# Altium PCB 2-quilter-output.pcbdoc (part 14 of 17)
Units mil, origin at the board's own origin, x right, y up, seen from the top; angles counter-clockwise.
Board outline 2728 x 2217 mil, 8 copper layers (L1_TOP, L2_GND, L3_INNER1, L4_GND, L5_PWR, L6_PWR, L7_GND, L8_BOT), stack 48.64 mil thick; 230 components, 327 nets, 1592 pads, 995 vias.
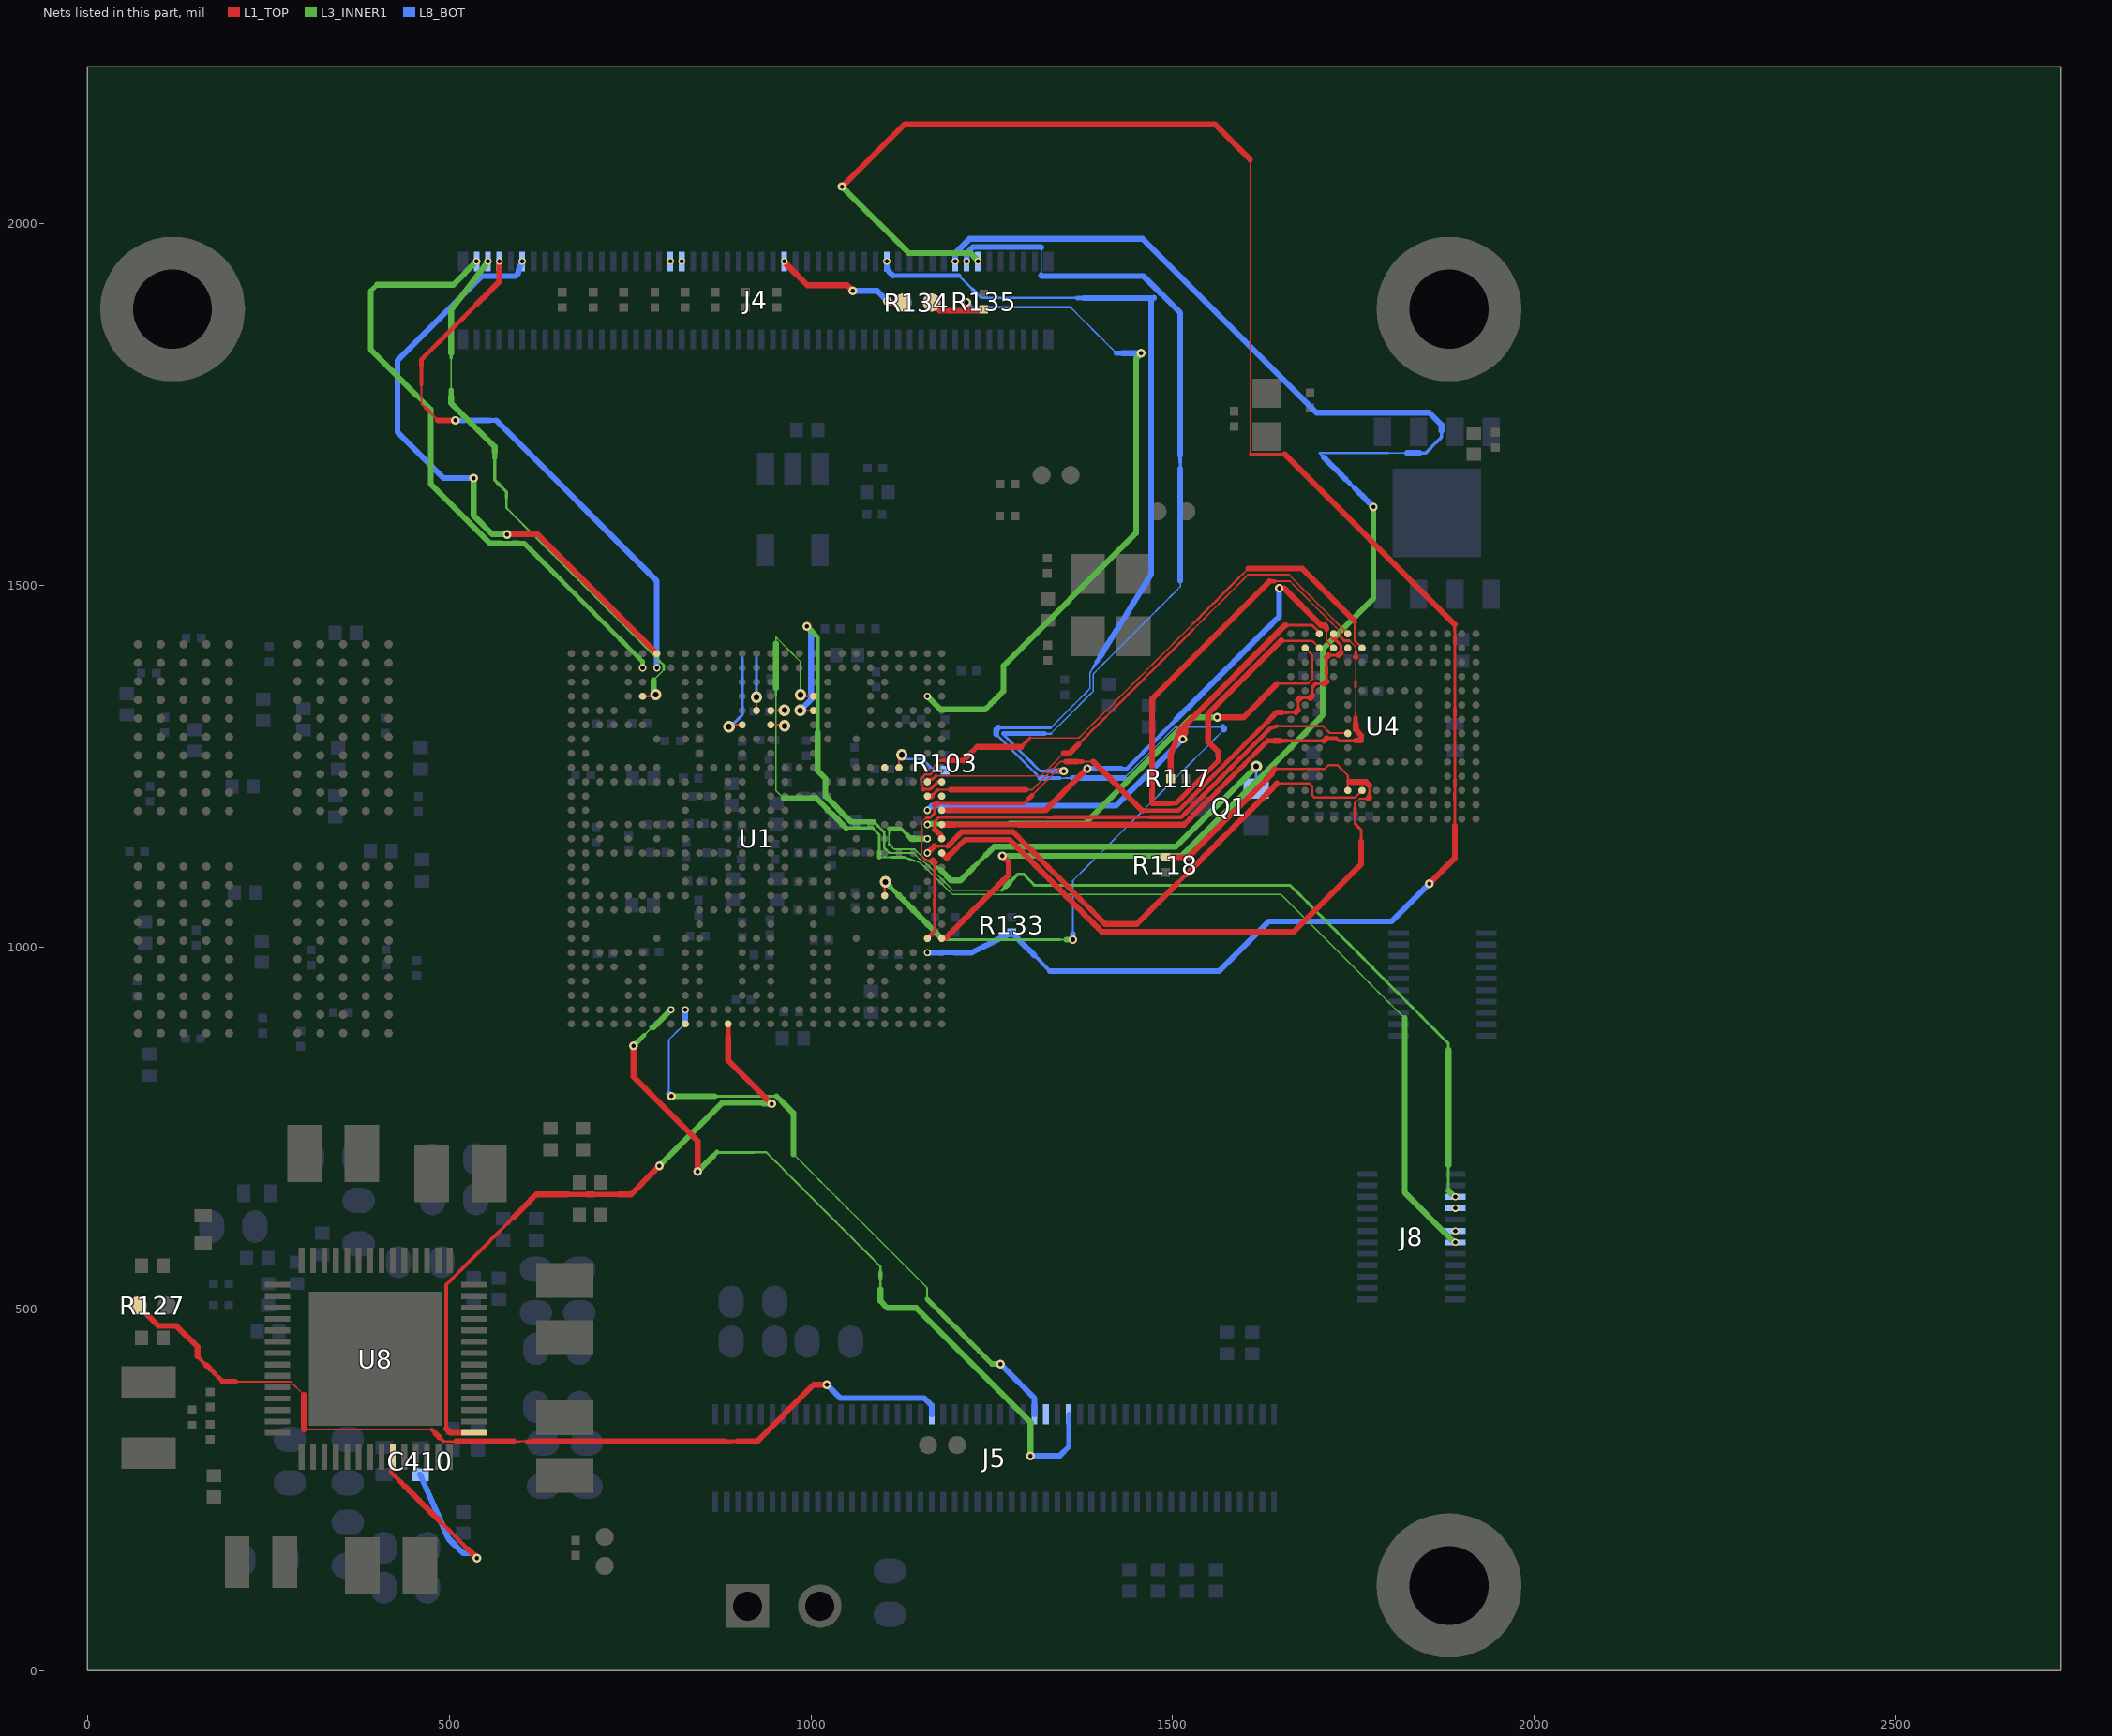
[diagram p20: the nets of this part, all layers, seen from the top]

## Via types
v1: diameter 12.01, hole 5.91, L1_TOP to L8_BOT, tented both sides, 409 vias
v2: diameter 16, hole 8, L1_TOP to L8_BOT, tented both sides, 329 vias
v3: diameter 10, hole 6, L1_TOP to L8_BOT, tented both sides, 205 vias
v4: diameter 16, hole 8, L1_TOP to L8_BOT, tented top, 52 vias

## Nets (pads, with @x,y where several pads share a name; then routed paths per layer and width w, separated by ;. In a path a pad name is that pad's centre, name@x,y a point inside that pad or via, vN(x,y) a via of type N, cw(c..) or ccw(c..) an arc to the next point about the centre after c; other vN are vias at no path point) (continued)
SD2_DATA3: J4.74 U1.V23 | length 2181
  L1_TOP w3: U1.V23@1102.05,1071.16 1102.05,1089.3 v2(1102.93,1090.18)
  L3_INNER1 w2.79: 1344.08,1010.41 1353.05,1010.41
  L3_INNER1 w3.37: 1176.56,1016.55 1182.7,1010.41 1191.66,1010.41 1200.63,1010.41 1209.59,1010.41 1218.56,1010.41 1227.53,1010.41 1236.49,1010.41 1245.46,1010.41 1254.42,1010.41 1263.39,1010.41 1272.36,1010.41 1281.32,1010.41 1290.29,1010.41 1299.25,1010.41 1308.22,1010.41 1317.19,1010.41 1326.15,1010.41 1335.12,1010.41 1344.08,1010.41
  L3_INNER1 w6.29: 1109.07,1084.04 1115.2,1077.91 1121.34,1071.77
  L3_INNER1 w8.05: v2(1102.93,1090.18) 1109.07,1084.04 ; 1121.34,1071.77 1127.48,1065.63 1133.61,1059.5 1139.75,1053.36 1145.88,1047.23 1152.02,1041.09 1158.15,1034.96 1164.29,1028.82 1170.42,1022.69 1176.56,1016.55 ; 1353.05,1010.41 v1(1362.08,1010.41)
  L8_BOT w2: 1331.66,1303.44 1337.67,1309.45 1343.68,1315.46 1349.69,1321.48 1355.7,1327.49 1361.71,1333.5 1367.72,1339.51 1373.73,1345.52 1379.74,1351.53 1385.76,1357.54 1385.76,1364.79 1385.76,1372.03 1385.76,1379.28 ; 1362.08,1018.73 1362.08,1026.87 1362.08,1035.01 1362.08,1043.15 1362.08,1051.29 1362.08,1059.43 1362.08,1067.57 1362.08,1075.71 1362.08,1083.85 1362.08,1091.99 1368.44,1098.35 1374.8,1104.71 1381.16,1111.07 1387.52,1117.43 1393.88,1123.79 1400.24,1130.15 1406.6,1136.51 1412.95,1142.87 1419.31,1149.23 1425.67,1155.59 1432.03,1161.94 1438.39,1168.3 1444.75,1174.66 1451.11,1181.02 1457.47,1187.38 1463.83,1193.74 1470.19,1200.1 1476.55,1206.46 1482.91,1212.82 1489.27,1219.18 1495.62,1225.54 1501.98,1231.9 1508.34,1238.26 1514.7,1244.61 1521.06,1250.97 1527.42,1257.33 1533.78,1263.69 1540.14,1270.05 1546.5,1276.41 1552.86,1282.77 1559.22,1289.13 1565.58,1295.49 1570.97,1300.88 ; 1433.02,1233.69 1438.88,1239.56 1444.75,1245.42 1450.61,1251.29 1456.48,1257.15 1462.34,1263.02 1468.2,1268.88 1474.07,1274.74 1479.93,1280.61 1485.8,1286.47 1491.66,1292.34 1497.53,1298.2 1503.39,1304.06 1511.68,1304.06 1519.97,1304.06 1528.27,1304.06 1536.56,1304.06 1544.85,1304.06 1553.14,1304.06 1561.43,1304.06 1569.72,1304.06
  L8_BOT w2.2: 1343.71,1233.69 1352.64,1233.69 ; 1385.76,1379.28 1390.44,1386.81
  L8_BOT w2.79: 1352.64,1233.69 1361.57,1233.69
  L8_BOT w3.37: 1204.62,1928.19 1210.81,1922.01 1216.99,1915.82 1223.18,1909.64 ; 1229.37,1903.45 1235.55,1897.26 1244.38,1897.26 1253.21,1897.26 1262.04,1897.26 1270.87,1897.26 1279.7,1897.26 1288.53,1897.26 1297.36,1897.26 1306.19,1897.26 1315.02,1897.26 1323.85,1897.26 1332.68,1897.26 1341.51,1897.26 1350.34,1897.26 1359.17,1897.26 1368,1897.26 ; 1256.23,1294.38 1262.3,1288.31 1268.37,1282.24 1274.44,1276.17 1280.51,1270.1 1286.58,1264.04 1292.65,1257.97 1298.71,1251.9 1304.78,1245.83 1310.85,1239.76 1316.92,1233.69
  L8_BOT w3.96: 1259.25,1303.44 1267.3,1303.44 1275.34,1303.44 1283.39,1303.44 1291.43,1303.44 1299.48,1303.44 1307.52,1303.44 1315.57,1303.44 1323.61,1303.44 1331.66,1303.44 ; 1390.44,1386.81 1395.13,1394.35
  L8_BOT w5.13: 1223.18,1909.64 1229.37,1903.45 ; 1325.85,1233.69 1334.78,1233.69 1343.71,1233.69
  L8_BOT w6.29: 1368,1897.26 1376.83,1897.26 ; 1395.13,1394.35 1399.82,1401.89
  L8_BOT w6.88: 1113.54,1928.19 1121.82,1928.19 1130.1,1928.19 1138.38,1928.19 1146.66,1928.19 1154.94,1928.19 1163.22,1928.19 1171.5,1928.19 1179.78,1928.19 1188.06,1928.19 1196.34,1928.19 1204.62,1928.19
  L8_BOT w7.46: 1109.26,1932.47 1113.53,1928.19
  L8_BOT w8.05: v3(1104.99,1947.75) 1104.98,1936.74 1109.26,1932.47 ; 1256.23,1294.38 1256.23,1300.42 1259.25,1303.44 ; 1316.92,1233.69 1325.85,1233.69 ; 1361.57,1233.69 1370.5,1233.69 1379.43,1233.69 1388.37,1233.69 1397.3,1233.69 1406.23,1233.69 1415.16,1233.69 1424.09,1233.69 1433.02,1233.69 ; v1(1362.08,1010.41) 1362.08,1018.73 ; 1376.83,1897.26 1385.66,1897.26 1394.49,1897.26 1403.32,1897.26 1412.15,1897.26 1420.98,1897.26 1429.81,1897.26 1438.64,1897.26 1447.47,1897.26 1456.3,1897.26 1465.13,1897.26 1473.96,1897.26 ; 1399.82,1401.89 1404.51,1409.43 1409.2,1416.97 1413.89,1424.51 1418.58,1432.05 1423.27,1439.59 1427.96,1447.13 1432.64,1454.67 1437.33,1462.21 1442.02,1469.75 1446.71,1477.29 1451.4,1484.83 1456.09,1492.37 1460.78,1499.91 1465.47,1507.45 1470.16,1514.99 1470.16,1893.44 1473.98,1897.26 ; 1569.72,1304.06 1570.97,1302.82 1570.97,1300.88
SD2_NCD: J4.88 U1.AA26 | length 1606.9
  L1_TOP w2: 1153.01,1125.65 1153.01,1129.21 1153.01,1137.95 1153.01,1146.69 1153.01,1155.44 ; 1153.01,1164.18 1153.01,1172.92 1159.21,1179.12
  L1_TOP w2.2: 1305.57,1209.97 1311.15,1215.55 1316.73,1221.12 1322.31,1226.7 1327.88,1232.28 1333.46,1237.86 1339.04,1243.44 v1@1344.32,1243.44
  L1_TOP w2.79: 1153.01,1125.65 1158.59,1120.06
  L1_TOP w3.37: 1153.01,1155.44 1153.01,1164.18
  L1_TOP w3.96: 1158.59,1120.06 1160.99,1120.06 1168.57,1120.06 ; 1159.21,1179.12 1164.86,1179.12 ; 1171.27,1022.93 1171.27,1031.51 1171.27,1040.1 1171.27,1048.68 1171.27,1057.27 ; 1171.27,1065.85 1171.27,1074.44 1171.27,1083.02 1171.27,1091.61 1171.27,1100.19 1171.27,1108.78 1171.27,1117.36 ; 1171.27,1185.53 1171.27,1190.41 1171.27,1196.14 ; 1173.94,1198.81 1182.54,1198.81 1191.15,1198.81
  L1_TOP w4.54: 1164.86,1179.12 1168.06,1182.33 1171.27,1185.53 ; 1191.15,1198.81 1199.76,1198.81 1208.36,1198.81 1216.97,1198.81 1225.57,1198.81 1234.18,1198.81 1242.78,1198.81 1251.39,1198.81 1259.99,1198.81 1268.6,1198.81 1277.2,1198.81 1285.81,1198.81 1294.41,1198.81 1299.99,1204.39
  L1_TOP w5.13: 1164.33,1015.98 1167.8,1019.45 1171.27,1022.93 ; 1171.27,1057.27 1171.27,1065.85
  L1_TOP w6.29: U1.AA26@1161.11,1012.1 1164.33,1015.98
  L1_TOP w6.88: 1299.99,1204.39 1305.57,1209.97
  L1_TOP w8.05: 1168.57,1120.06 1171.27,1117.36 ; 1171.27,1196.14 1173.94,1198.81 ; v1@1344.32,1243.44 v1(1349.59,1243.44)
  L8_BOT w2: 1318.36,1928.44 1318.36,1936.16 1318.36,1943.89 1318.36,1951.61 1318.36,1959.34 1318.36,1967.07 ; 1331.72,1295.3 1337.59,1301.16 1343.46,1307.03 1349.33,1312.9 1355.19,1318.77 1361.06,1324.63 1366.93,1330.5 1372.8,1336.37 1378.66,1342.23 1384.53,1348.1 1390.4,1353.97 1390.4,1361.77 1390.4,1369.57 1390.4,1377.38 1391.39,1379.01 1397.66,1385.27 1403.92,1391.54 1410.19,1397.8 1416.45,1404.07 1422.72,1410.33 1428.98,1416.6 1435.25,1422.86 1441.51,1429.12 1447.78,1435.39 1454.04,1441.65 1460.31,1447.92 1466.57,1454.18 1472.84,1460.45 1479.1,1466.71 1485.37,1472.98 1491.63,1479.24 1497.9,1485.51 1504.16,1491.77 1510.43,1498.04 1510.43,1506.58
  L8_BOT w3.37: 1291.52,1268.54 1297.8,1262.27 ; 1323.56,1295.3 1331.72,1295.3
  L8_BOT w3.96: 1266.43,1295.29 1266.43,1293.64 1272.7,1287.36 1278.98,1281.09 1285.25,1274.81 1291.52,1268.54 ; 1297.8,1262.27 1304.07,1255.99 1310.35,1249.72 1316.62,1243.44 1324.86,1243.44
  L8_BOT w4.54: 1510.43,1661.4 1510.43,1670.36
  L8_BOT w5.13: 1324.86,1243.44 1333.11,1243.44 ; 1510.43,1670.36 1510.43,1679.32
  L8_BOT w6.29: 1266.43,1295.3 1274.59,1295.3 1282.76,1295.3 1290.92,1295.3 1299.08,1295.3 1307.24,1295.3 1315.4,1295.3 1323.56,1295.3
  L8_BOT w7.46: 1510.43,1652.44 1510.43,1661.4
  L8_BOT w8.05: v3(1215.23,1947.75) 1215.22,1958.79 1224.24,1967.82 1317.61,1967.82 1318.36,1967.07 ; 1318.36,1928.44 1318.67,1927.69 1459.2,1927.69 1510.43,1876.46 1510.43,1867.5 1510.43,1858.54 1510.43,1849.57 1510.43,1840.61 1510.43,1831.65 1510.43,1822.69 1510.43,1813.73 1510.43,1804.77 1510.43,1795.81 1510.43,1786.85 1510.43,1777.89 1510.43,1768.93 1510.43,1759.97 1510.43,1751.01 1510.43,1742.05 1510.43,1733.08 1510.43,1724.12 1510.43,1715.16 1510.43,1706.2 1510.43,1697.24 1510.43,1688.28 1510.43,1679.32 ; 1333.11,1243.44 1341.35,1243.44 v1(1349.59,1243.44) ; 1510.43,1506.58 1510.43,1509.06 1510.43,1518.02 1510.43,1526.99 1510.43,1535.95 1510.43,1544.91 1510.43,1553.87 1510.43,1562.83 1510.43,1571.79 1510.43,1580.75 1510.43,1589.71 1510.43,1598.67 1510.43,1607.63 1510.43,1616.59 1510.43,1625.55 1510.43,1634.52 1510.43,1643.48 1510.43,1652.44
SD2_NRST: J4.90 R133.2 U1.AB26 | length 2783.4
  L1_TOP w2: 1606.93,1681.12 1606.93,1689.97 1606.93,1698.83 1606.93,1707.69 1606.93,1716.55 1606.93,1725.41 1606.93,1734.26 1606.93,1743.12 1606.93,1751.98 1606.93,1760.84 1606.93,1769.69 1606.93,1778.55 1606.93,1787.41 1606.93,1796.27 1606.93,1805.12 1606.93,1813.98 1606.93,1822.84 1606.93,1831.7 1606.93,1840.56 1606.93,1849.41 1606.93,1858.27 1606.93,1867.13 1606.93,1875.99 1606.93,1884.84 1606.93,1893.7 1606.93,1902.56 1606.93,1911.42 1606.93,1920.27 1606.93,1929.13 1606.93,1937.99 1606.93,1946.85 1606.93,1955.7 1606.93,1964.56 1606.93,1973.42 1606.93,1982.28 1606.93,1991.14 1606.93,1999.99 1606.93,2008.85 1606.93,2017.71 1606.93,2026.57 1606.93,2035.42 1606.93,2044.28 1606.93,2053.14 1606.93,2062 1606.93,2070.85 1606.93,2079.71 1606.93,2088.57
  L1_TOP w3.96: 1606.93,1681.12 1614.93,1681.12 1622.93,1681.12 1630.93,1681.12 1638.92,1681.12 1646.92,1681.12 1654.92,1681.12 ; 1889.89,1167.94 1889.89,1176.92 1889.89,1185.89 1889.89,1194.87 1889.89,1203.84 ; 1889.89,1212.81 1889.89,1221.79 ; 1889.89,1230.76 1889.89,1239.74 1889.89,1248.71 1889.89,1257.69 1889.89,1266.66 1889.89,1275.63 1889.89,1284.61 1889.89,1293.58 1889.89,1302.56 1889.89,1311.53 1889.89,1320.51 ; 1889.89,1329.48 1889.89,1338.45 1889.89,1347.43 1889.89,1356.4 1889.89,1365.38 1889.89,1374.35 1889.89,1383.33 1889.89,1392.3 1889.89,1401.28 1889.89,1410.25 1889.89,1419.22 ; 1889.89,1428.2 1889.89,1437.17
  L1_TOP w4.54: 1889.89,1203.84 1889.89,1212.81 ; 1889.89,1437.17 1889.89,1446.15
  L1_TOP w5.71: 1889.89,1221.79 1889.89,1230.76 ; 1889.89,1320.51 1889.89,1329.48 ; 1889.89,1419.22 1889.89,1428.2
  L1_TOP w8.05: v1(1043.22,2051.16) 1129.61,2137.55 1370.35,2137.55 1557.95,2137.55 1606.93,2088.57 ; 1654.92,1681.12 1889.89,1446.15 ; v1(1854.64,1087.81) 1889.89,1123.07 1889.89,1132.05 1889.89,1141.02 1889.89,1149.99 1889.89,1158.97 1889.89,1167.94
  L3_INNER1 w8.05: v1(1043.22,2051.16) 1050.38,2044 1135.02,1959.36 1220.37,1959.36 1227.93,1951.79 v3(1230.98,1947.75)
  L8_BOT w5.13: 1308.93,988.67 1315.22,982.39 1321.5,976.11 1327.78,969.82 1330.52,967.08
  L8_BOT w6.88: 1182.14,992.42 1190.14,992.42 1198.14,992.42
  L8_BOT w8.05: v3(1161.11,992.42) 1166.14,992.42 1174.14,992.42 1182.14,992.42 ; 1198.14,992.42 1206.14,992.42 1214.14,992.42 1222.14,992.42 ; 1222.15,992.43 R133.2@1277.5,1020.09 1283.8,1013.81 1290.08,1007.52 1296.36,1001.24 1302.65,994.96 1308.93,988.67 ; 1330.52,967.08 1564.27,967.08 1633.01,1035.82 1802.65,1035.82 1847.13,1080.3 v1(1854.64,1087.81)
SD2_VSEL: U1.AG12 U8.29 | length 929.4
  L1_TOP w4.54: 496.28,533.95 502.51,540.17 508.73,546.4 514.96,552.63 ; 571.01,608.67 577.23,614.9 583.46,621.13
  L1_TOP w5.13: 496.28,334.61 496.28,343.28 496.28,351.95 496.28,360.61 496.28,369.28 496.28,377.95 496.28,386.61 496.28,395.28 496.28,403.95 496.28,412.61 496.28,421.28 496.28,429.95 496.28,438.61 496.28,447.28 496.28,455.95 496.28,464.61 496.28,473.28 496.28,481.95 496.28,490.61 496.28,499.28 496.28,507.95 496.28,516.61 496.28,525.28 496.28,533.95 ; 514.96,552.63 521.19,558.86 527.42,565.08 533.64,571.31 539.87,577.54 546.1,583.76 552.32,589.99 558.55,596.22 564.78,602.45 571.01,608.67
  L1_TOP w5.71: 583.46,621.13 589.69,627.35
  L1_TOP w6.88: 716.58,658.49 725.29,658.49 734,658.49
  L1_TOP w7.46: 664.35,658.49 673.06,658.49 681.76,658.49 690.47,658.49 ; 699.17,658.49 707.88,658.49 716.58,658.49 ; 885.76,876.41 885.76,884.6 U1.AG12@885.76,892.8
  L1_TOP w8.05: 496.28,334.6 502.01,328.88 U8.29@534.52,328.87 ; 589.69,627.35 595.91,633.58 602.14,639.81 608.37,646.04 614.6,652.26 620.82,658.49 629.53,658.49 638.23,658.49 646.94,658.49 655.64,658.49 664.35,658.49 ; 690.47,658.49 699.17,658.49 ; 734,658.49 742.7,658.49 751.41,658.49 784.2,691.29 v1(790.66,697.74) ; U1.AG12@885.52,893.99 U1.AG12@885.76,892.8 ; 885.76,876.41 885.76,868.21 885.76,860.01 885.76,851.81 885.76,843.61 939.53,789.84 v1(945.78,783.59)
  L3_INNER1 w7.46: 924.73,785.09 932.51,785.09
  L3_INNER1 w8.05: v1(790.66,697.74) 878.01,785.09 885.8,785.09 893.58,785.09 901.37,785.09 909.16,785.09 916.94,785.09 924.73,785.09 ; 932.51,785.09 934.02,783.58 v1(945.78,783.59)
SD2_WP: J4.86 U1.AA27 | length 2097.7
  L1_TOP w7.46: 1266.73,1093.28 1272.92,1099.47
  L1_TOP w8.05: U1.AA27@1180.8,1012.1 1180.8,1012.85 1186.3,1012.85 1192.49,1019.04 1198.68,1025.23 1204.86,1031.41 1211.05,1037.6 1217.24,1043.79 1223.42,1049.97 1229.61,1056.16 1235.8,1062.35 1241.98,1068.53 1248.17,1074.72 1254.36,1080.91 1260.54,1087.09 1266.73,1093.28 ; v1(1264.51,1126.34) 1273.38,1117.46 1273.38,1099.94 1272.92,1099.47
  L3_INNER1 w8.05: v1(1264.51,1126.34) 1512.47,1126.34 1707.33,1321.2 1707.33,1412.36 1777.29,1482.32 v1(1777.29,1608.27)
  L8_BOT w2.2: 1797.78,1683.05 1806.44,1683.05 1815.1,1683.05 1823.75,1683.05
  L8_BOT w2.79: 1702.52,1683.04 1708.58,1676.98 ; 1702.53,1683.05 1711.19,1683.05 1719.85,1683.05 1728.51,1683.05 1737.16,1683.05 1745.82,1683.05 1754.48,1683.05 1763.14,1683.05 1771.8,1683.05 1780.46,1683.05 1789.12,1683.05 1797.78,1683.05
  L8_BOT w4.54: 1841.07,1683.05 1849.73,1683.05 1855.16,1688.47 1860.58,1693.9 1866.01,1699.32 1871.43,1704.75 1871.43,1713.4
  L8_BOT w5.13: 1744.89,1640.67 1750.95,1634.61
  L8_BOT w6.29: 1738.84,1646.72 1744.89,1640.67
  L8_BOT w7.46: 1750.95,1634.61 1757,1628.56
  L8_BOT w8.05: v3(1199.48,1947.75) 1199.47,1958.79 1219.57,1978.89 1458.3,1978.89 1698.43,1738.76 1854.72,1738.76 1871.43,1722.06 1871.43,1713.4 ; 1708.58,1676.98 1714.63,1670.93 1720.68,1664.88 1726.74,1658.82 1732.79,1652.77 1738.84,1646.72 ; 1757,1628.56 1763.05,1622.51 1769.11,1616.45 v1(1777.29,1608.27) ; 1823.75,1683.05 1832.41,1683.05 1841.07,1683.05
SD3_CLK: U1.R26 U4.M6 | length 764.1
  L1_TOP w3: 1645.38,1226.38 1689,1226.38 1692.9,1222.48 1692.9,1209.76 1695.9,1206.76 1751.73,1206.76 U4.M6@1761.65,1216.68
  L1_TOP w3.96: 1176.82,1139.75 1183,1139.75 1189.18,1139.75
  L1_TOP w4.54: 1170.64,1139.75 1176.82,1139.75
  L1_TOP w5.71: 1506.17,1087.93 1512.46,1094.23 1518.76,1100.53
  L1_TOP w7.46: 1189.18,1139.75 1194.07,1144.64 1198.95,1149.52 1203.84,1154.41 1208.72,1159.29 1217.56,1159.29 1226.39,1159.29 1235.22,1159.29 1244.06,1159.29 1252.89,1159.29 1261.73,1159.29 1270.56,1159.29 1279.39,1159.29 1285.49,1153.19 1291.59,1147.1 1297.69,1141 1303.78,1134.9 ; 1309.88,1128.81 1315.98,1122.71 1322.07,1116.61 1328.17,1110.51 1334.27,1104.42 1340.37,1098.32 1346.46,1092.22 1352.56,1086.13 1358.66,1080.03 1364.76,1073.93 1370.85,1067.83 1376.95,1061.74 1383.05,1055.64 1389.14,1049.54 1395.24,1043.44 1401.34,1037.35 1406.54,1032.14
  L1_TOP w8.05: v3(1161.11,1130.22) 1170.64,1139.75 ; 1303.78,1134.9 1309.88,1128.81 ; 1406.54,1032.14 1450.38,1032.14 1455.78,1037.55 1462.08,1043.85 1468.38,1050.14 1474.67,1056.44 1480.97,1062.74 1487.27,1069.04 1493.57,1075.34 1499.87,1081.63 1506.17,1087.93 ; 1518.76,1100.53 1525.06,1106.83 1531.36,1113.12 1537.66,1119.42 1543.95,1125.72 1550.25,1132.02 1556.55,1138.32 1562.85,1144.62 1569.15,1150.91 1575.44,1157.21 1581.74,1163.51 1588.04,1169.81 1594.34,1176.11 1600.64,1182.4 1606.93,1188.7 1613.23,1195 1619.53,1201.3 1625.83,1207.6 1632.13,1213.89 1638.42,1220.19 1643.9,1226.38
SD3_CMD: R118.2 U1.R27 U4.M5 | length 1173.5
  L1_TOP w2: 1752.1,1199.27 1758.18,1205.35 1764.98,1205.35 1769.67,1205.35
  L1_TOP w3: 1642.36,1246.35 1710.01,1246.35 1715.48,1251.82 1727.47,1251.82 1741.97,1237.32 U4.M5@1741.97,1216.68
  L1_TOP w3.96: 1752.1,1184.89 1752.1,1177.7 1752.1,1170.51 1756.33,1166.28 1760.56,1162.05 1760.56,1154.23 1760.56,1146.4 ; 1752.1,1192.08 1752.1,1199.27 ; 1771.78,1211.42 1771.78,1217.48 1771.78,1223.54
  L1_TOP w5.13: 1752.1,1184.89 1752.1,1192.08
  L1_TOP w5.71: 1771.78,1207.47 1771.78,1211.42
  L1_TOP w6.88: 1248.25,1148.81 1257.05,1148.81 1265.85,1148.81 1274.64,1148.81
  L1_TOP w7.46: 1194,1129.74 1200.36,1136.09 1206.71,1142.45 1213.07,1148.81 1221.86,1148.81 1230.66,1148.81 1239.46,1148.81 1248.25,1148.81 ; 1274.64,1148.81 1280.77,1142.68 ; 1293.02,1130.43 1299.14,1124.31 1305.27,1118.18 ; 1397.14,1026.31 1402.37,1021.07
  L1_TOP w8.05: U1.R27@1180.8,1130.22 1187.64,1123.38 1194,1129.74 ; 1280.77,1142.68 1286.89,1136.56 1293.02,1130.43 ; 1305.27,1118.18 1311.39,1112.06 1317.52,1105.93 1323.64,1099.81 1329.77,1093.68 1335.89,1087.56 1342.02,1081.43 1348.14,1075.31 1354.27,1069.18 1360.39,1063.06 1366.52,1056.93 1372.64,1050.81 1378.77,1044.68 1384.89,1038.56 1391.02,1032.43 1397.14,1026.31 ; 1402.37,1021.07 1666.53,1021.07 1760.56,1115.1 1760.56,1122.93 1760.56,1130.76 1760.56,1138.58 1760.56,1146.4 ; R118.2@1490,1124.51 1521.99,1124.51 1637.49,1240 1638.29,1243.68 1640.87,1246.34 ; 1743.46,1229.19 1747.72,1228.25 1767.07,1228.25 1771.78,1223.54 ; 1769.67,1205.35 1771.78,1207.47
SD3_DATA0: R117.2 U1.M26 U4.A3 | length 747.3
  L1_TOP w4.1: 1658.95,1444.87 1692.98,1444.87 1702.6,1435.25 U4.A3@1702.6,1433.21
  L1_TOP w8.05: R117.2@1496.98,1233 1496.98,1265.31 1507.44,1292.42 1511.23,1302.25 ; v1(1513.77,1287.63) 1513.77,1299.72 1511.23,1302.25 ; 1656.89,1444.88 1655.31,1444.98 1517.2,1306.88 1517.2,1295.87 1511.23,1302.25
  L8_BOT w8.05: v3(1161.11,1189.27) 1167.35,1195.48 1421.61,1195.48 v1(1513.77,1287.63)
SD3_DATA1: U1.L26 U4.A4 | length 774.7
  L1_TOP w2.2: 1175.54,1217.61 1184.22,1217.61 1192.91,1217.61 ; 1297.14,1217.61 1305.83,1217.61 1311.38,1223.17 1316.94,1228.72 1322.49,1234.28 1328.05,1239.83 1333.6,1245.39 1339.15,1250.94 1344.71,1256.49 1352.28,1256.49 ; 1375,1256.49 1382.57,1256.49 1390.14,1256.49
  L1_TOP w3.96: 1658.52,1324.63 1665.93,1324.63 1670.08,1324.63 ; 1673.36,1327.91 1673.36,1333.14 1673.36,1341.65 ; 1676.02,1344.32 1684.53,1344.32 1689.76,1344.32 ; 1693.04,1347.6 1693.04,1351.98 1693.04,1359.65 ; 1697.4,1364 1705.06,1364 1709.45,1364 ; 1712.73,1367.28 1712.73,1371.33 1712.73,1378.66 ; 1712.73,1385.98 1712.73,1393.31 1712.73,1400.63 ; 1715.47,1403.38 1723.94,1403.38 1729.09,1403.38 ; 1732.41,1406.69 1732.41,1410.36 1732.41,1417.34
  L1_TOP w4.54: 1166.89,1208.96 1171.21,1213.29 1175.54,1217.61 ; 1722.29,1427.46 1727.57,1422.19 1732.41,1417.34
  L1_TOP w5.13: 1651.1,1324.63 1658.52,1324.63 ; 1712.73,1378.66 1712.73,1385.98
  L1_TOP w5.71: 1693.04,1359.65 1697.4,1364
  L1_TOP w6.29: 1367.42,1256.49 1375,1256.49 ; 1457.89,1188.75 1466.21,1188.75 1474.52,1188.75 1482.84,1188.75 1491.16,1188.75 1499.48,1188.75 1507.8,1188.75 1513.98,1194.92 1520.15,1201.1 1526.33,1207.28 1532.51,1213.45 1538.68,1219.63 1544.86,1225.81 1551.04,1231.98 1557.21,1238.16 1563.39,1244.34 1569.56,1250.51 1575.74,1256.69 1581.92,1262.87 1588.09,1269.04 1594.27,1275.22 1600.45,1281.4 1606.62,1287.57 1612.8,1293.75 1618.98,1299.93 1625.15,1306.1 1631.33,1312.28
  L1_TOP w7.46: 1631.33,1312.28 1637.51,1318.46
  L1_TOP w8.05: U1.L26@1161.11,1208.96 1166.88,1208.96 ; 1192.91,1217.61 1201.6,1217.61 1210.28,1217.61 1218.97,1217.61 1227.65,1217.61 1236.34,1217.61 1245.03,1217.61 1253.71,1217.61 1262.4,1217.61 1271.08,1217.61 1279.77,1217.61 1288.46,1217.61 1297.14,1217.61 ; 1352.28,1256.49 1359.85,1256.49 1367.42,1256.49 ; 1390.14,1256.49 1457.89,1188.75 ; 1637.51,1318.46 1643.68,1324.63 1651.1,1324.63 ; 1670.08,1324.63 1673.36,1327.91 ; 1673.36,1341.65 1676.02,1344.32 ; 1689.76,1344.32 1693.04,1347.6 ; 1709.45,1364 1712.73,1367.28 ; 1712.73,1400.63 1715.47,1403.38 ; 1722.28,1427.46 U4.A4@1722.28,1433.21 ; 1729.09,1403.38 1732.41,1406.69
SD3_DATA2: U1.K26 U4.A5 | length 733
  L1_TOP w2: 1173.13,1237.01 1181.67,1237.01 1190.2,1237.01 1198.74,1237.01 1207.27,1237.01 1215.81,1237.01 1224.35,1237.01 1232.88,1237.01 1241.42,1237.01 1249.95,1237.01 1258.49,1237.01 1267.03,1237.01 1275.56,1237.01 1284.1,1237.01 1292.64,1237.01 1301.17,1237.01 1309.71,1237.01 1318.24,1237.01 1324.44,1243.2 1330.64,1249.4 1336.84,1255.6 1343.03,1261.79 1349.23,1267.99
  L1_TOP w2.2: 1407.83,1318.57 1414.15,1324.89 ; 1527.94,1438.67 1534.26,1444.99 1540.58,1451.31 1546.9,1457.63 1553.22,1463.95 1559.54,1470.27 1565.86,1476.6 1572.18,1482.92 1578.51,1489.24 1584.83,1495.56 1591.15,1501.88 1597.47,1508.2 ; 1660.64,1514.52 1666.62,1508.54 1672.6,1502.56 1678.58,1496.58 1684.56,1490.59 1690.55,1484.61 1696.53,1478.63 1702.51,1472.65 1708.49,1466.66 1714.48,1460.68 1720.46,1454.7 1726.44,1448.72 1732.42,1442.73 1738.41,1436.75
  L1_TOP w2.79: 1414.15,1324.89 1420.48,1331.21 ; 1597.47,1508.2 1603.79,1514.52